# Altium PCB WX0.010.826PCB-4.2.PcbDoc (part 1 of 2)
Units mil, origin at the board's own origin, x right, y up, seen from the top; angles counter-clockwise.
Board outline 4340.74 x 9647.83 mil, 4 copper layers (Top Layer, GND, POWER, Bottom Layer), stack 80.043 mil thick; 211 components, 152 nets, 662 pads, 484 vias.
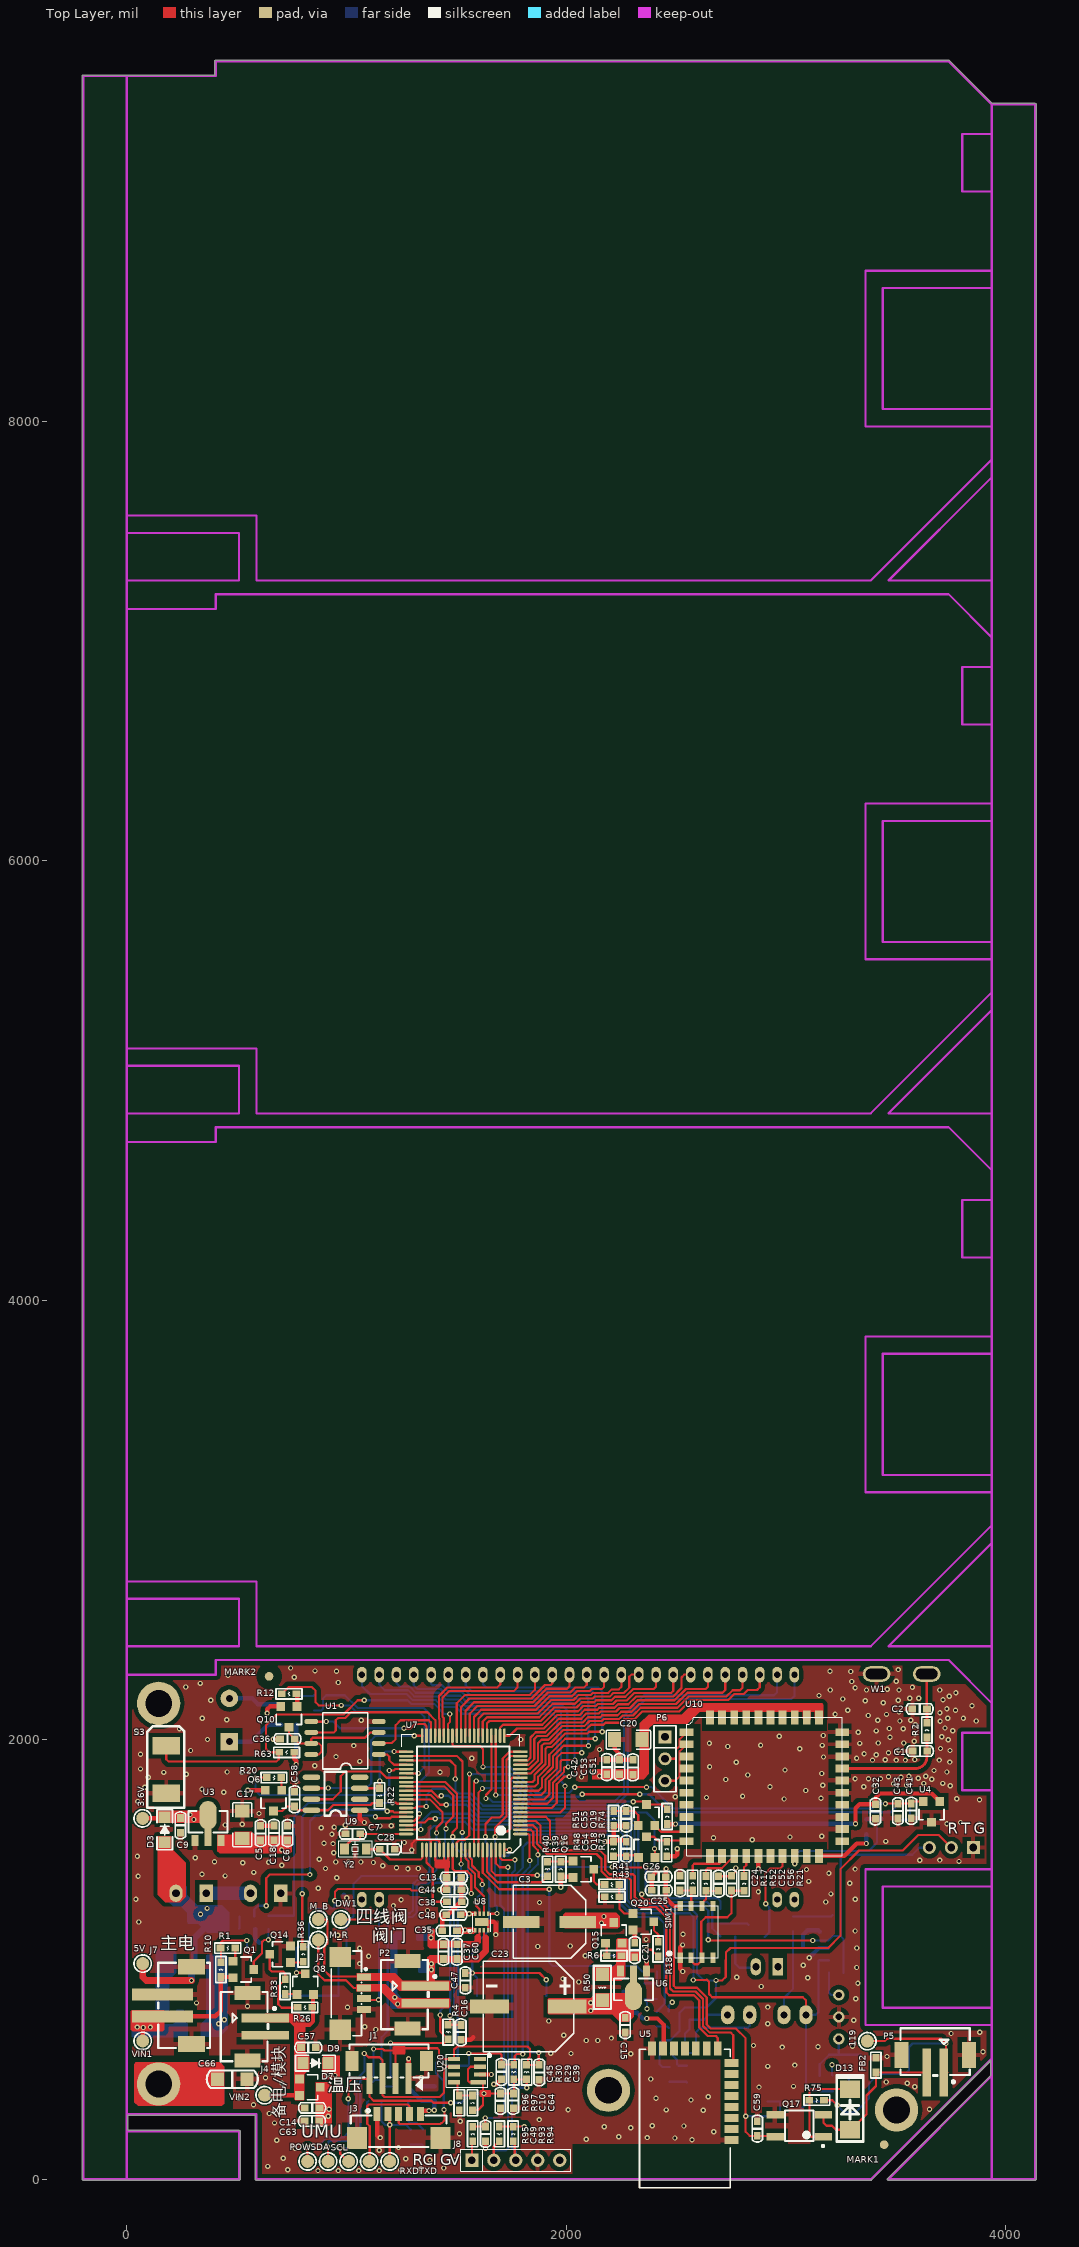
[diagram p0: Top Layer view]
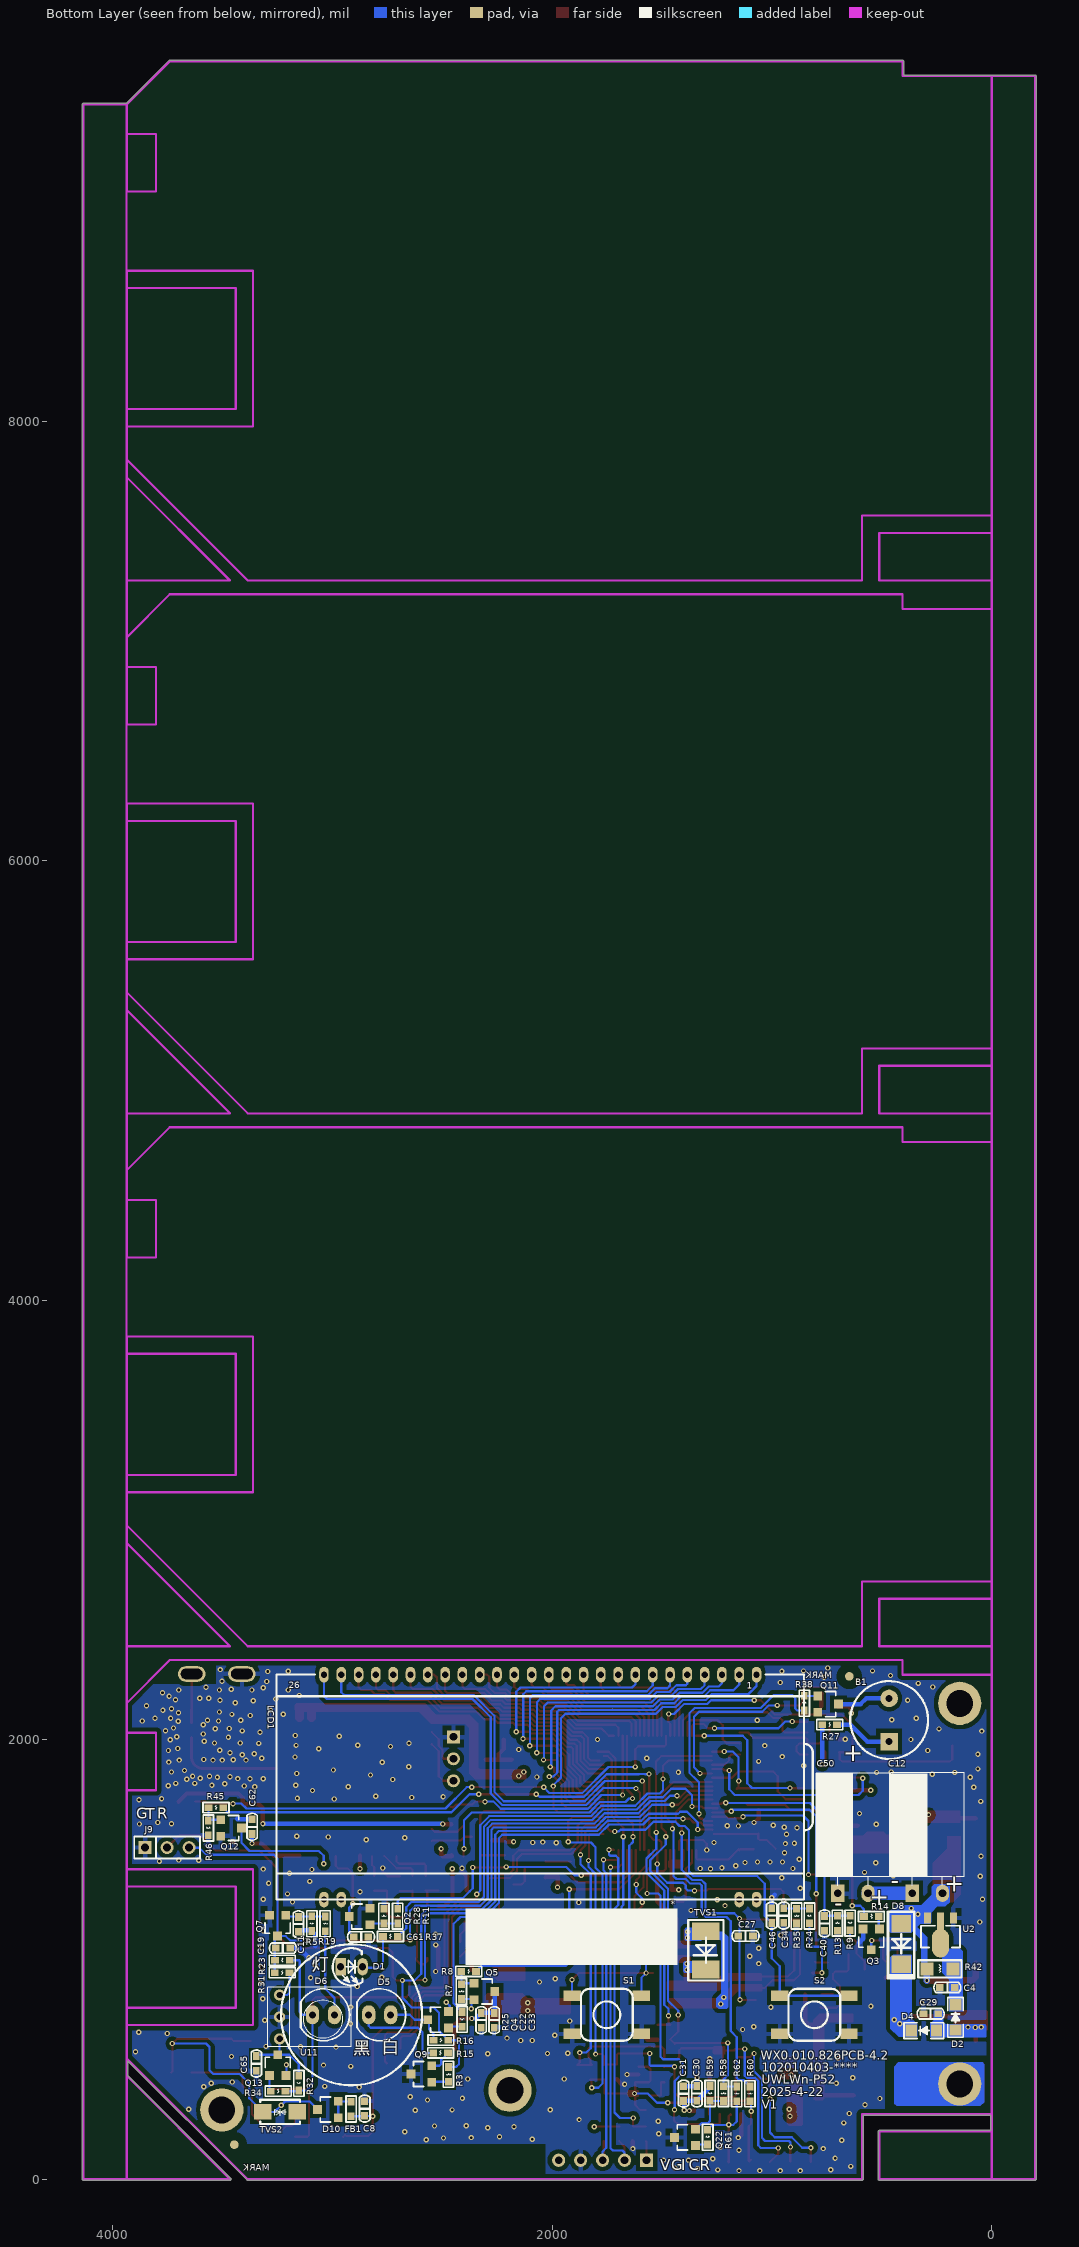
[diagram p1: Bottom Layer view, seen from below]
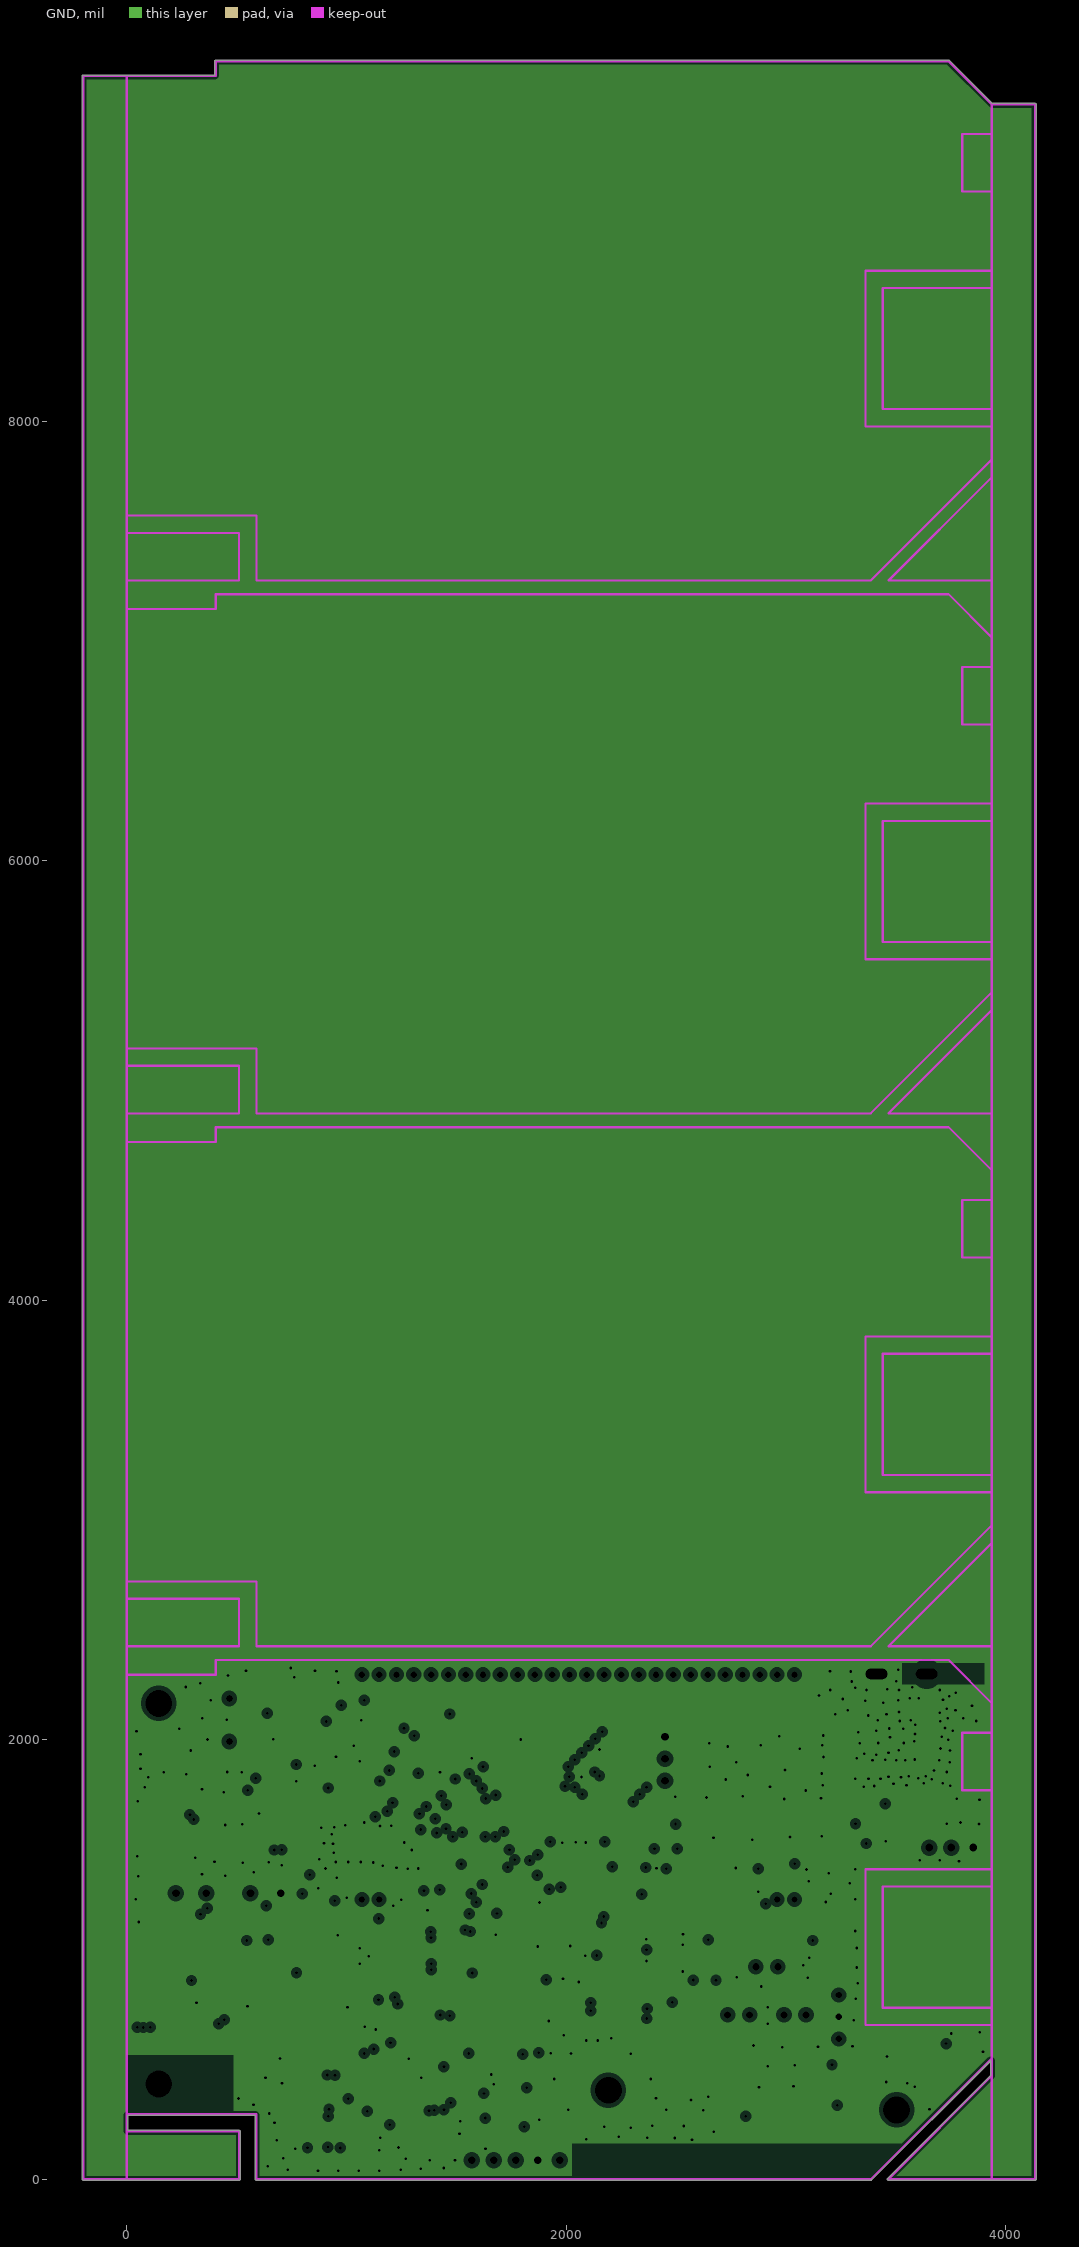
[diagram p2: GND, clearances drawn from the general rule]
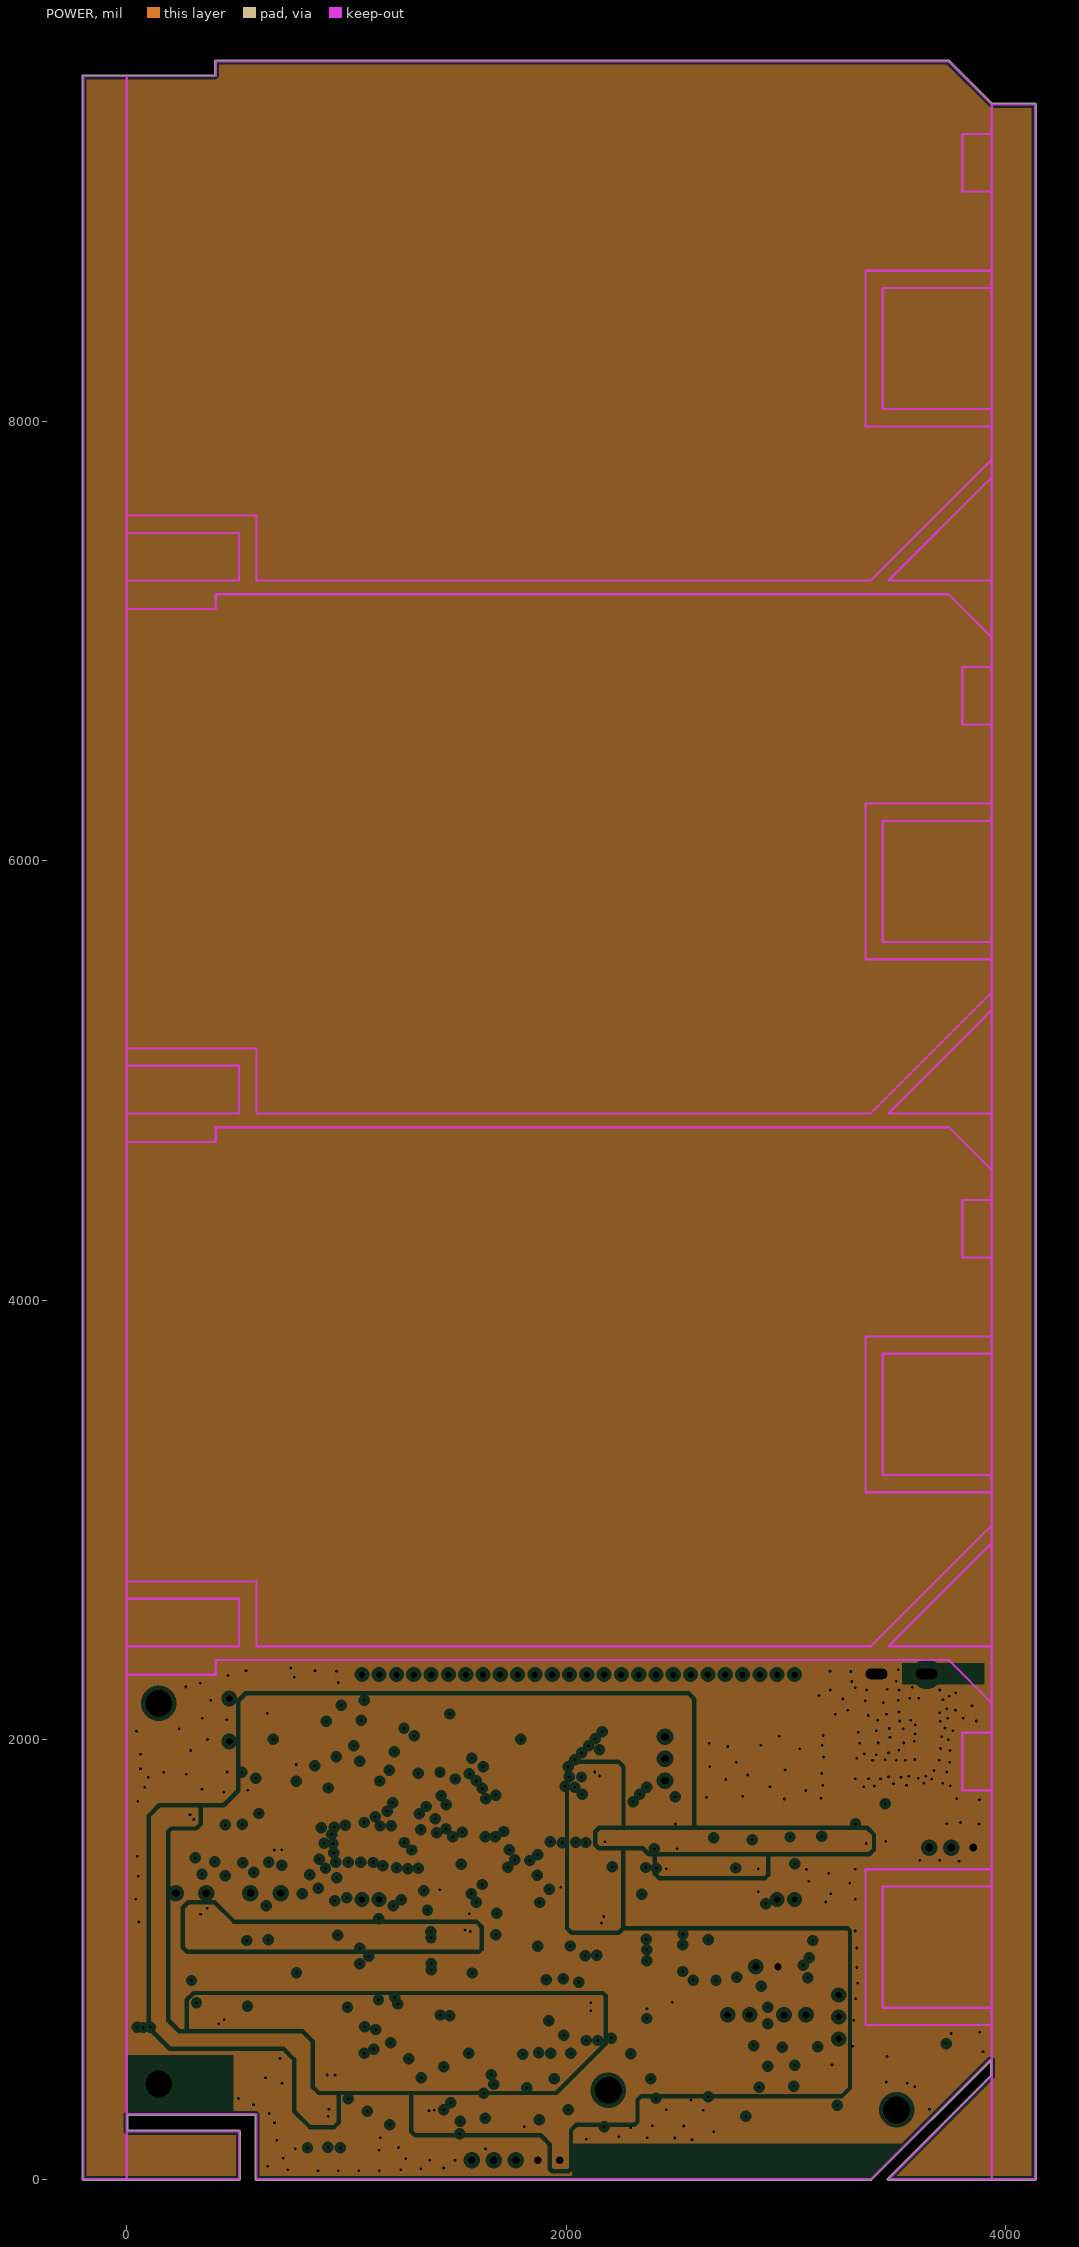
[diagram p3: POWER, clearances drawn from the general rule]

## Layer stack, top to bottom
Top Solder: solder mask 0.4, Solder Resist, Dk 3.5
Top Layer: signal copper 1.4
Dielectric 1: core 59.409, FR-4, Dk 4.2
GND: plane copper 1.417, net GND
Dielectric 3: prepreg 5, Dk 4.2
POWER: plane copper 1.417, net (Multiple Nets)
Dielectric 2: core 10, Dk 4.2
Bottom Layer: signal copper 1.4
Bottom Solder: solder mask 0.4, Solder Resist, Dk 3.5

## Board outline
-196.85,-5.02 511.81,-5.02 ccw(c511.81,0) 516.83,0 516.83,216.54 ccw(c511.81,216.54) 511.81,221.55 5.02,221.55 5.02,290.26 585.54,290.26 585.54,0 ccw(c590.55,0) 590.55,-5.02 3386.25,-5.02 ccw(c3386.25,0) 3389.81,-3.53 3389.8,-3.55 3931.99,538.65 3931.99,472.09 3463.45,3.55 3463.47,3.56 ccw(c3467,0) 3467,-5.02 4133.86,-5.02 ccw(c4133.86,0) 4138.87,0 4138.87,9441.58 ccw(c4133.86,9441.58) 4133.86,9446.6 3939.09,9446.6 3744.34,9641.34 3744.36,9641.32 ccw(c3740.8,9637.8) 3740.8,9642.81 405.51,9642.81 ccw(c405.51,9637.8) 400.5,9637.8 400.5,9575.88 -196.85,9575.88 ccw(c-196.85,9570.87) -201.87,9570.87 -201.87,0 ccw(c-196.85,0)

## Design rules (kind name [scope] priority, off if disabled: settings)
Clearance VIA-VIA [ISVIA vs ISVIA] p1: gap=20 ignorepadtopadclearanceinfootprint=FALSE except(0: Arc-Hole Track-Hole SMDPad-Hole THPad-Hole Via-Hole Fill-Hole Poly-Hole Region-Hole Text-Hole)
Clearance VIA-PAD [ISVIA vs ISPAD] p2: gap=15 ignorepadtopadclearanceinfootprint=FALSE except(0: Arc-Hole Track-Hole SMDPad-Hole THPad-Hole Via-Hole Fill-Hole Poly-Hole Region-Hole Text-Hole)
Clearance VIA-TRACK [ISVIA vs ISTRACK] p3: gap=15 ignorepadtopadclearanceinfootprint=FALSE except(0: Arc-Hole Track-Hole SMDPad-Hole THPad-Hole Via-Hole Fill-Hole Poly-Hole Region-Hole Text-Hole)
Clearance Polygon [InPolygon] p4: gap=20 ignorepadtopadclearanceinfootprint=FALSE except(0: Arc-Hole Track-Hole SMDPad-Hole THPad-Hole Via-Hole Fill-Hole Poly-Hole Region-Hole Text-Hole)
Clearance [All] p5: gap=7 ignorepadtopadclearanceinfootprint=FALSE except(0: Arc-Hole Track-Hole SMDPad-Hole THPad-Hole Via-Hole Fill-Hole Poly-Hole Region-Hole Text-Hole)
ComponentClearance [All] p1 off: gap=10 collisioncheckmode=3 verticalgap=10 showdistances=FALSE
FabricationTestPointUsage TestPointUsage [All] p1: valid=0 allowmultiple=FALSE
FabricationTestpoint Testpoint [(IsPad And (OnTopLayer Or OnBottomLayer))] p1: side=3 testpointundercomponent=TRUE minsize=40 maxsize=100 preferedsize=60 minholesize=0 maxholesize=40 preferedholesize=32 testpointgrid=1 allowsidetop=TRUE allowsidebottom=TRUE usegrid=TRUE gridtolerance=0.01
HoleSize [All] p1 off: absolutevalues=TRUE maxlimit=300 minlimit=0 maxpercent=80.000 minpercent=20.000
HoleToHoleClearance [All] p1 off: gap=10 allowstackedmicrovias=TRUE
LayerPairs [All] p1 off: enforce=TRUE
MinimumSolderMaskSliver [All] p1 off: minsoldermaskwidth=10
NetAntennae [All] p1 off: netantennaetolerance=0
PlaneClearance [All] p1: clearance=20
PlaneConnect [All] p1: planeconnectstyle=Direct reliefexpansion=20 reliefentries=4 reliefconductorwidth=20 reliefairgap=10
PolygonConnect PolygonConnect_2 [(InComponent('C3') OR InComponent('C23'))] p1: connectstyle=Relief reliefconductorwidth=40 reliefentries=4 polygonreliefangle="90 Angle" airgapwidth=20
PolygonConnect [isvia] p2: connectstyle=Direct reliefconductorwidth=15 reliefentries=4 polygonreliefangle="90 Angle" airgapwidth=10
PolygonConnect PolygonConnect_1 [All] p3: connectstyle=Relief reliefconductorwidth=20 reliefentries=4 polygonreliefangle="90 Angle" airgapwidth=20
RoutingVias [All] p1: holewidth=10 width=20 viastyle="Through Hole" minholewidth=5 minwidth=5 maxholewidth=50 maxwidth=100
SilkToBoardRegionClearance [All] p1 off:
SilkToSilkClearance [All] p1 off: silktosilkclearance=10
SilkToSolderMaskClearance [IsPad] p1 off: minsilkscreentomaskgap=10 clearancetoexposedcopper=TRUE
SolderMaskExpansion [All] p1: expansion=4
Width [All] p1: maxlimit=300 minlimit=8 preferedwidth=8
17 further rules are at their usual default settings.

## Classes and differential pairs
component class WX0.010.827DL: 3.6V 5V 119 * B1 C3 C4 C5 C6 C7 C8 C9 C10 C11 C12 C13 C14 C15 C16 C17 C18 C19 C20 C21 C23 C27 C28 C29 C30 C31 C34 C35 C36 C37 C38 C39 C40 C42 C44 C45 C46 C47 C48 C49 C50 C51 C53 C57 C58 C59 C60 C63 C64 C65 D1 D2 D3 D4 D5 D6 D7 D9 D10 D13 DW1 FB1 FB2 J1 J2 J3 J4 J7 J8 J9 LCD1 M_B M_R MARK1 MARK2 P2 P5 POW Q1 Q3 Q4 Q6 Q7 Q8 Q9 Q10 Q11 Q13 Q14 Q15 Q16 Q17 Q20 Q22 R1 R3 R4 R5 R6 R9 R10 R12 R13 R14 R15 R16 R18 R19 R20 R22 R23 R24 R25 R26 R27 R29 R30 R31 R32 R33 R34 R35 R36 R37 R38 R39 R40 R41 R42 R43 R50 R58 R59 R60 R61 R62 R75 R93 R94 R95 R96 R97 RXD S1 S2 SCL SDA TVS1 TVS2 TXD U1 U2 U3 U6 U7 U8 U9 U11 U20 VIN1 VIN2 Y2
component class WX0.010.828DL: C1 C2 C22 C24 C25 C26 C32 C33 C41 C43 C52 C54 C55 C56 C61 C62 C66 P6 Q2 Q5 Q12 Q18 Q19 R2 R7 R8 R11 R17 R21 R28 R45 R46 R48 R51 R52 R63 R73 R74 S3 SIM1 U4 U5 U10 W1

## Components (designator, comment, footprint, x,y, rotation, side; value= is the part's Value field where it differs from the comment)
3.6V "TEST-PAD" TEST-PAD 73,1642 r270 top
5V "TEST-PAD" TEST-PAD 73,981 r270 top
119 "TEST-PAD" TEST-PAD 3371,628 r270 top
* "Bar Code1" "Bar Code1" 2395,975 r180 bottom locked
B1 "HYT-0903" HYT-0903 467,2089.43 r90 bottom
C1 "NC" CAP0603 3643,1948 r180 top
C2 "NC" CAP0603 3641.51,2140 r180 top
C3 "220uF/16V" 220uf 1924,1171 r180 top locked
C4 "100nF/50V" CAP0603 169.49,872 r0 bottom
C5 "100nF/50V" CAP0603 609,1541.49 r90 top
C6 "10uF/10V" CAP0603 732,1542 r90 top
C7 "12pF/50V" CAP0603 996,1572 r0 top
C8 "100nF/50V" CAP0603 2854,288.49 r90 bottom
C9 "10uF/10V" CAP0603 245,1643 r270 top
C10 "100nF/50V" CAP0603 1701,389 r270 top
C11 "10pF/50V" CAP0603 3154.73,1192.51 r270 bottom
C12 "1000uF/16V" CAPPC_350_800_1200 220.43,1696 r180 bottom locked
C13 "100nF/50V" CAP0603 1522,1373 r180 top
C14 "100nF/50V" CAP0603 877,324 r180 top
C15 "100nF/50V" CAP0603 2269,734 r270 top
C16 "33pF/50V" CAP0603 1521,701 r270 top
C17 "100uF/16V" GRM31CR60J107ME39L 526,1550 r90 top
C18 "22pF/50V" CAP0603 670,1543 r90 top
C19 "100pF/50V" CAP0603 3258.51,1052 r180 bottom
C20 "100uF/16V" GRM31CR60J107ME39L 2346.01,2000.26 r180 top
C21 "100nF/50V" CAP0603 2312,1010 r90 top
C22 "10uF/10V" CAP0603 2323,756 r270 bottom
C23 "1000uF/16V" CAPSM_450_1000_1050 1828,786 r270 top
C24 "33pF/50V" CAP0603 2518.01,1314.26 r90 top
C25 "100nF/50V" CAP0603 2389.54,1314.75 r0 top
C26 "33pF/50V" CAP0603 2453.54,1375.75 r180 top
C27 "100nF/50V" CAP0603 1153,1107 r180 bottom
C28 "12pF/50V" CAP0603 1219,1501 r180 top
C29 "33pF/50V" CAP0603 310.51,753 r180 bottom
C30 "10uF/10V" CAP0603 1342.12,357.49 r90 bottom
C31 "100nF/50V" CAP0603 1402.4,356.4 r90 bottom
C32 "1uF/16V" CAP0603 3408,1706 r270 top
C33 "1uF/16V" CAP0603 2264,756 r270 bottom
C34 "10pF/50V" CAP0603 947,1167 r90 bottom
C35 "100nF/50V" CAP0603 1503,1130 r180 top
C36 "100nF/50V" CAP0603 764.51,2003 r180 top
C37 "100nF/50V" CAP0603 1442,1068 r270 top
C38 "100nF/50V" CAP0603 1458.49,1262 r0 top
C39 "33pF/50V" CAP0603 1877,453.49 r90 top
C40 "10pF/50V" CAP0603 761,1131 r90 bottom
C41 "1nF/50V" CAP0603 3571,1709 r270 top
C42 "10pF/50V" CAP0603 2185,1842.49 r90 top
C43 "33pF/50V" CAP0603 3510,1707.51 r270 top
C44 "100nF/50V" CAP0603 1523.51,1317 r180 top
C45 "33pF/50V" CAP0603 1706,521 r270 top
C46 "100nF/50V" CAP0603 1001,1232.51 r270 bottom
C47 "100nF/50V" CAP0603 1541,871.49 r90 top
C48 "100nF/50V" CAP0603 1454.49,1203 r0 top
C49 "33pF/50V" CAP0603 1633,173.49 r90 top
C50 "1000uF/16V" CAPPC_350_800_1200 559.36,1695.75 r180 bottom locked
C51 "100nF/50V" CAP0603 2304,1841.49 r90 top
C52 "33pF/50V" CAP0603 2694.01,1312.26 r90 top
C53 "33pF/50V" CAP0603 2243,1843 r90 top
C54 "1nF/50V" CAP0603 2274,1535.51 r270 top
C55 "1nF/50V" CAP0603 2273,1608.49 r90 top
C56 "33pF/50V" CAP0603 2752.01,1313.75 r90 top
C57 "33pF/50V" CAP0603 794,599 r0 top
C58 "100nF/50V" CAP0603 764,1696 r90 top
C59 "10nF/50V" CAP0603 2870,197.49 r90 top
C60 "33pF/50V" CAP0603 1503,1068 r270 top
C61 "33pF/50V" CAP0603 2837.49,1102 r0 bottom
C62 "1uF/16V" CAP0603 3366.6,1570.89 r90 bottom
C63 "33pF/50V" CAP0603 876,264 r180 top
C64 "100nF/50V" CAP0603 1760,389.51 r270 top
C65 "100nF/50V" CAP0603 3347,493.49 r90 bottom
C66 "103P/1KV" CAP1206 413,455 r0 top
D1 "LED_T3R" LED2_300 2913.39,966.57 r90 bottom
D2 "DS36W" SOD-123FL 165,676.09 r90 bottom
D3 "DS12W" SOD-123FL 173,1530.09 r90 top
D4 "DS36W" SOD-123FL 249.09,676 r0 bottom
D5 "AT205B" IR_254_1000_500 2785.43,748.03 r180 bottom locked
D6 "AT405-PD-01" IR_254_1000_500 3041.34,748.03 r180 bottom
D7 "BAT54CLT1" SOT-23 834.24,418.4 r270 top
D8 "SS12" DO-214AC 412,1070 r270 bottom
D9 "DS36W" SOD-123FL 799.09,528 r0 top
D10 "BAT54CLT1" SOT-23 3021,317.26 r90 bottom
D13 "M7A" DO-214AC 3292,317.5 r90 top
DW1 "TEST-PAD" TEST-PAD 975,1182 r90 top
FB1 "FB03SN3000_30R" IND0603 2915.88,285.86 r90 bottom
FB2 "FB03SN3000_30R" IND0603 3410,552 r270 top
J1 "SMT-1.5-4" CONN-SMD_4P-P1.5_HCTL_HC-ZH-4PLT 1194.3,497.65 r180 top locked
J2 "SMT-1.5-4" CONN-SMD_4P-P1.25_HCTL_HC-1.25-4PLT 1025.67,845.81 r270 top locked
J3 "SMT-1.25-5" CONN-SMD_5P-P1.25_HCTL_HC-1.25-5PLT 1237.96,241.33 r0 top locked
J4 "S_PH200_1*2R" CONN-SMD_2.0-2PLT 590,694 r90 top
J7 "S_PH200_1*2R" 2*2.5立贴 229,791 r90 top locked
J8 "Header 5" PIN254_1*5SR 1571,86 r0 top
J9 "PIN254_1*3*WXHJ" PIN254_1*3*WXHJ 3853,1509 r180 bottom
LCD1 "JR" JR-H26263ARP 2054.72,1784.18 r180 bottom locked
M_B "TEST-PAD" TEST-PAD 872,1182 r180 top
M_R "TEST-PAD" TEST-PAD 872,1088.4 r180 top
MARK1 "MARK" MARK 3447,157 r90 top
MARK2 "MARK" MARK 648,2288 r90 top
P2 "S_PH200_1*2R" CONN-SMD_2.0-2PLT 1319.35,839.54 r90 top
P5 "S_PH200_1*2R" CONN-SMD_2.0-2PLT 3679.83,525.53 r0 top
P6 "模块调试" PIN254_1*3*WXHJ 2450,2013 r270 top
POW "TEST-PAD" TEST-PAD 823.37,80.63 r180 top
Q1 "PNPS-9012" SOT-23 531,954 r270 top
Q2 "NPNS-9013" SOT-23 2877,1195.5 r90 bottom
Q3 "NPNS-9013" SOT-23 548,1091 r0 bottom
Q4 "PNPS-9012" SOT-23 2519.24,725.4 r90 bottom
Q5 "UT3401ZG" SOT-23 2309,854 r270 bottom
Q6 "PNPS-9012" SOT-23 668,1723 r180 top
Q7 "NPNS-9013" SOT-23 3250,1153.9 r0 bottom
Q8 "PNPS-9012" SOT-23 812.47,887.12 r0 top
Q9 "PNPS-9012" SOT-23 2596.24,478.6 r90 bottom
Q10 "PNPS-9012" SOT-23 738.26,2103.99 r180 top
Q11 "NPNS-9013" SOT-23 745,2162 r270 bottom
Q12 "NPNS-9013" SOT-23 3461.74,1598.27 r270 bottom
Q13 "PNPS-9012" SOT-23 3249,519 r180 bottom
Q14 "NPNS-9013" SOT-23 698.76,1023.4 r90 top
Q15 "UT3401ZG" SOT-23 2217,1121 r0 top
Q16 "PNPS-9012" SOT-23 2078.24,1410.4 r270 top
Q17 "EL357N" EL357D 3061,243 r180 top
Q18 "NPNS-9013" SOT-23 2366.41,1510.61 r0 top
Q19 "NPNS-9013" SOT-23 2365.6,1657.24 r0 top
Q20 "NPNS-9013" SOT-23 2352,1171 r270 top
Q22 "PNPS-9012" SOT-23 1396,190 r90 bottom
R1 "10K 5%" RES0603 427,1052 r0 top
R2 "0R 5%" RES0603 3642,2077 r270 top
R3 "3K 5%" RES0603 2472,510 r270 bottom
R4 "1K 5%" RES0603 1463,636 r90 top
R5 "47K 5%" RES0603 3094.87,1129.14 r90 bottom
R6 "2M 5%" RES0603 2185,1017 r0 top
R7 "2M 5%" RES0603 2413,887 r270 bottom
R8 "200K 5%" RES0603 2347,945 r0 bottom
R9 "330K 5%" RES0603 645,1132 r90 bottom
R10 "10K 5%" RES0603 429,987 r270 top
R11 "3K 5%" RES0603 2703,1230 r270 bottom
R12 "3K 5%" RES0603 706,2209 r0 top
R13 "220K 5%" RES0603 702,1198 r270 bottom
R14 "3K 5%" RES0603 581,1195 r180 bottom
R15 "100R 5%" RES0603 2475,574 r0 bottom
R16 "20K 5%" RES0603 2474,632 r0 bottom
R17 "22R 5%" RES0603 2576.01,1380.26 r270 top
R18 "200K 5%" RES0603 2419,1080 r270 top
R19 "20K 5%" RES0603 3033,1195.14 r270 bottom
R20 "3K 5%" RES0603 637,1828 r0 top
R21 "22R 5%" RES0603 2810.01,1379.26 r270 top
R22 "20K 5%" RES0603 1151,1712 r90 top
R23 "20K 5%" RES0603 3262,996 r180 bottom
R24 "330K 5%" RES0603 830,1164.36 r90 bottom
R25 "10K 5%" RES0603 2411,694 r90 bottom
R26 "10K 5%" RES0603 777.87,781.87 r0 top
R27 "51R 5%" RES0603 704,2068 r0 bottom
R28 "10K 5%" RES0603 2766,1230 r270 bottom
R29 "5.1K 5%" RES0603 1820,454 r90 top
R30 "5.1K 5%" RES0603 1762,454 r90 top
R31 "51R 5%" RES0603 3196,939 r0 bottom
R32 "0R 5%" RES0603 3154,403 r90 bottom
R33 "10K 5%" RES0603 721.87,909.87 r270 top
R34 "3K 5%" RES0603 3214,400 r0 bottom
R35 "220K 5%" RES0603 888,1230.36 r270 bottom
R36 "3K 5%" RES0603 804,1057 r270 top
R37 "1K 5%" RES0603 2703,1104 r0 bottom
R38 "3K 5%" RES0603 853,2133 r90 bottom
R39 "20K 5%" RES0603 1976,1444 r270 top
R40 "3K 5%" RES0603 1915,1378 r90 top
R41 "20K 5%" RES0603 2242,1341 r180 top
R42 "0R 5%" RES1206 176.89,957 r0 bottom
R43 "47K 5%" RES0603 2176,1285 r0 top
R45 "3K 5%" RES0603 3497.6,1690.4 r0 bottom
R46 "10K 5%" RES0603 3565.74,1565.27 r90 bottom
R48 "4.7K 5%" RES0603 2215,1469.36 r90 top
R50 "0R 5%" RES1206 2165,814 r90 top
R51 "4.7K 5%" RES0603 2217,1675 r270 top
R52 "22R 5%" RES0603 2636.01,1379.26 r270 top
R58 "1K 5%" RES0603 1220.56,423 r270 bottom
R59 "10K 1%" RES0603 1281.84,357 r90 bottom
R60 "1K 5%" RES0603 1100,422 r270 bottom
R61 "10K 1%" RES0603 1293,158 r90 bottom
R62 "1K 5%" RES0603 1160.28,422 r270 bottom
R63 "1M 5%" RES0603 695,1943 r0 top
R73 "4.7K 5%" RES0603 2458,1536 r270 top
R74 "4.7K 5%" RES0603 2460,1683 r270 top
R75 "3K 5%" RES0603 3174,359 r180 top
R93 "10K 1%" RES0603 1759,239 r270 top
R94 "10K 1%" RES0603 1696,173 r90 top
R95 "100R 5%" RES0603 1575,239 r270 top
R96 "10K 5%" RES0603 1514,381 r270 top
R97 "10K 5%" RES0603 1574,381 r270 top
RXD "TEST-PAD" TEST-PAD 1103.59,80.63 r0 top
S1 "SWS_4_600_600_430" SWS_4_600_600 1751.97,748.03 r180 bottom locked
S2 "SWS_4_600_600_430" SWS_4_600_600 807.09,748.03 r180 bottom
S3 "SWS_2_520_300_300" SWS_2_520_300 180,1973 r90 top
SCL "TEST-PAD" TEST-PAD 1010.18,80.63 r180 top